# KiCad board ben-eater-computer.kicad_pcb (continued)
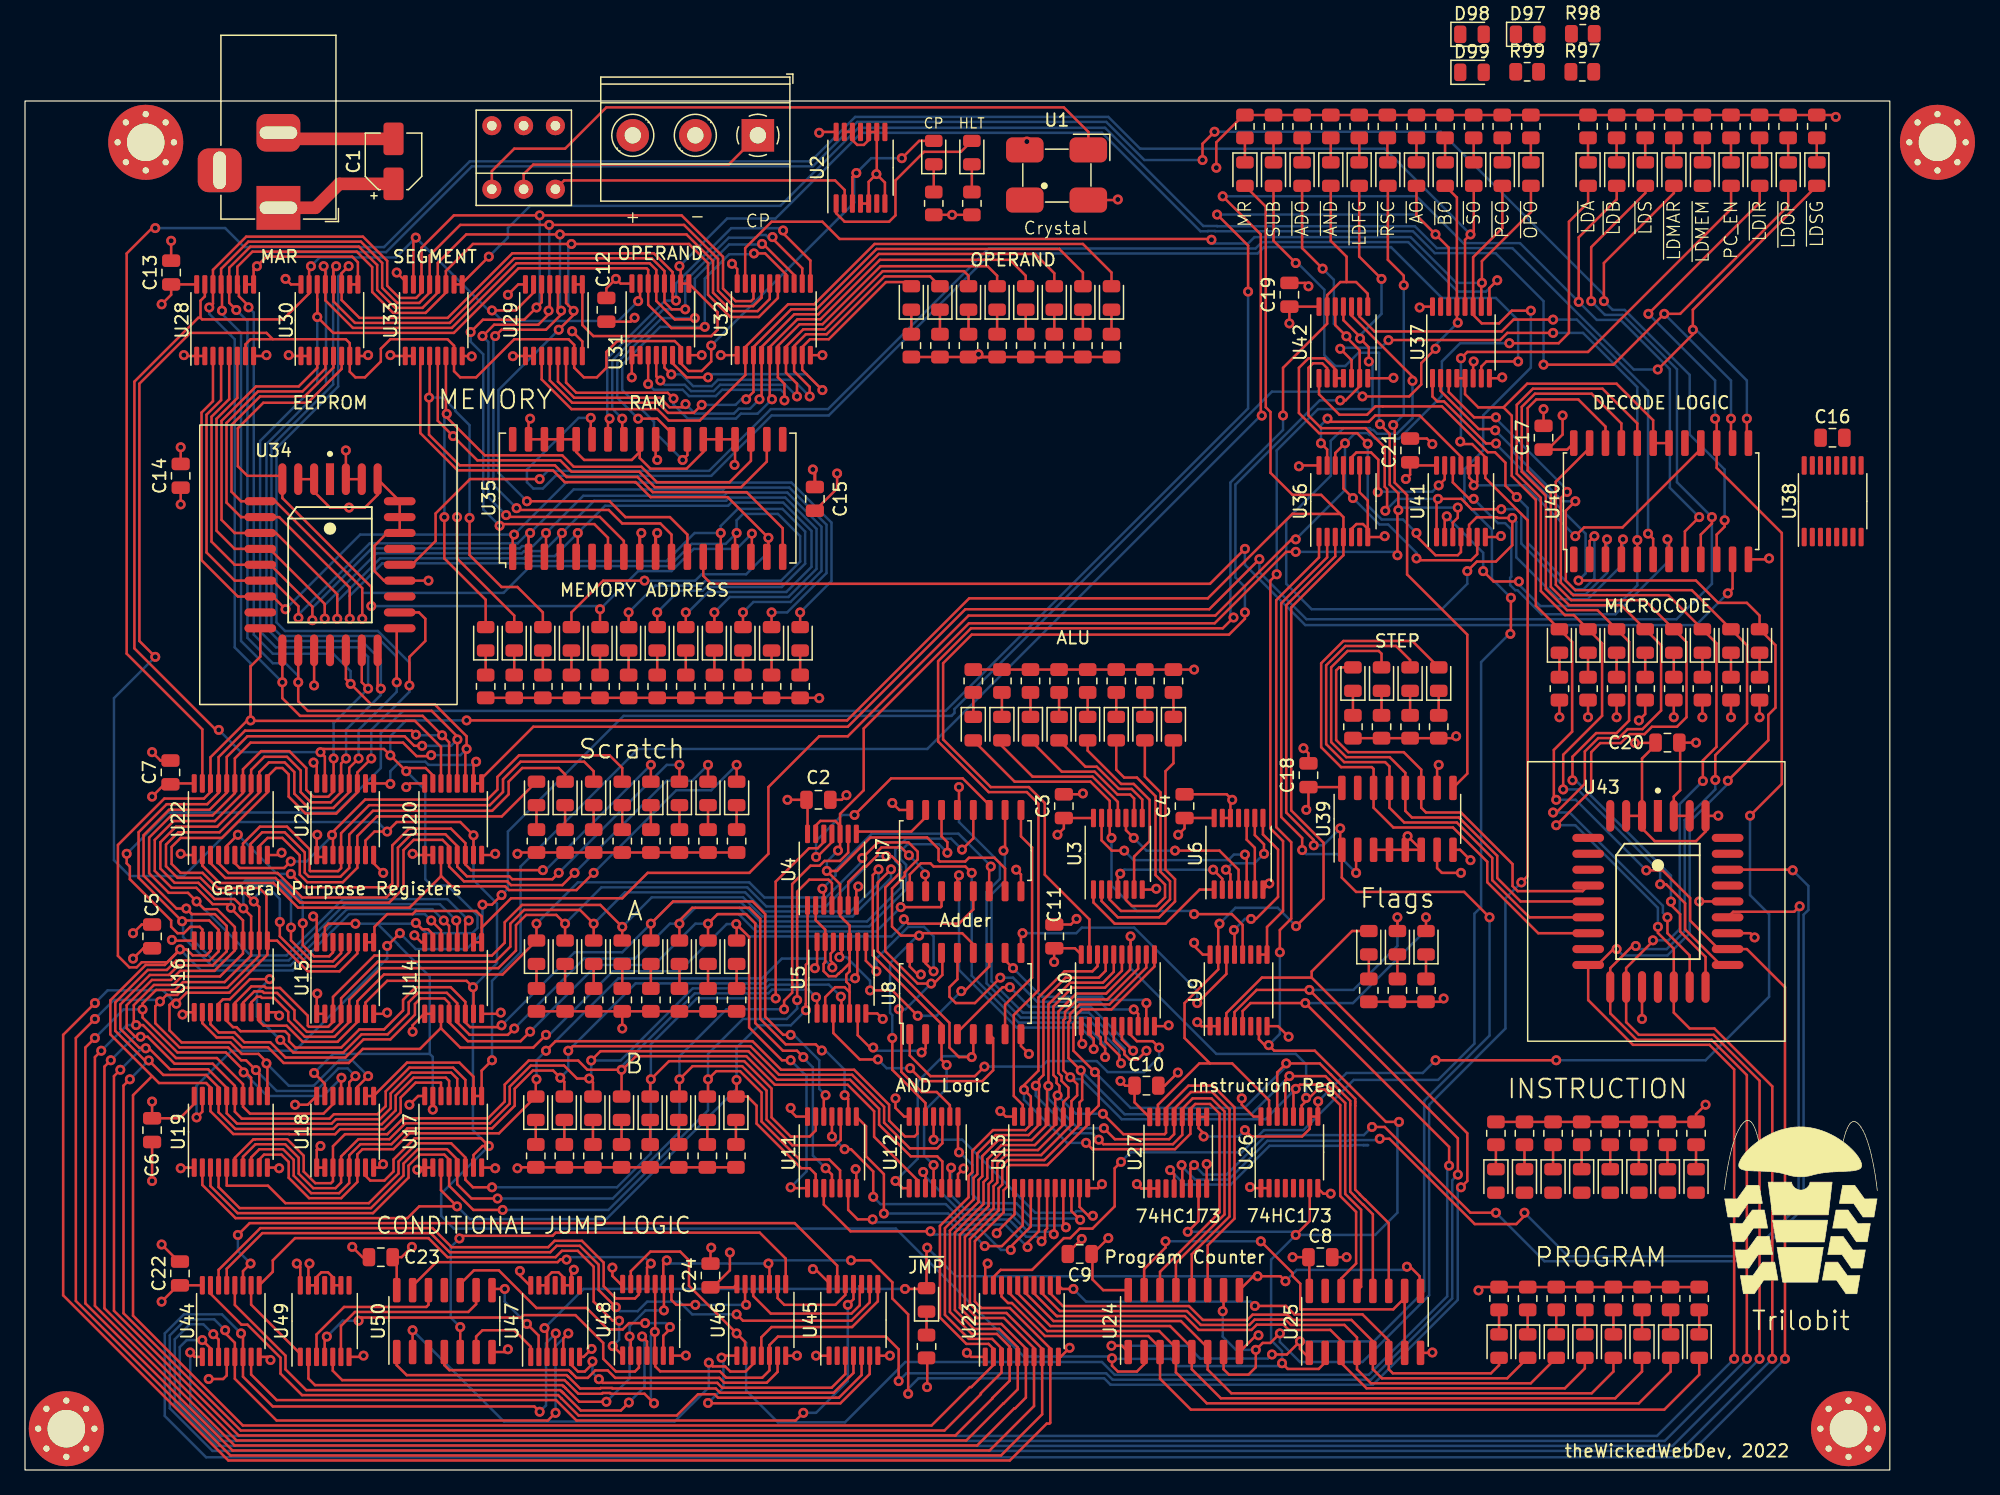
[diagram p0: board, top side]
## Footprints (pads in the part's own frame, mm; a bottom-side part is the same pattern mirrored in y, then rotated)
BarrelJack_Horizontal
  rect 3.5x3.5 hole 1x3: 1(0,0)
  rrect 3x3.5 hole 1x3: 2(-6,0)
  rrect 3.5x3.5 hole 3x1: 3(-3,-4.7)
C_0805_2012Metric
  rrect 1x1.45 smd: 1(-0.95,0) 2(0.95,0)
CFPS-72 SMD Clock
  rrect 3x2 smd: 1(-2.59,-12.18) 2(2.49,-12.18) 3(2.49,-8.17) 4(-2.59,-8.17)
CP_Elec_4x3
  rrect 2.6x1.6 smd: 1(-1.8,0) 2(1.8,0)
LED_0805_2012Metric
  rrect 0.975x1.4 smd: 1(-0.938,0) 2(0.938,0)
MountingHole_3mm_Pad_Via
  round 0.8 hole 0.5: 1(-2.25,0) 1(-1.591,1.591) 1(-1.591,-1.591) 1(0,2.25) 1(0,-2.25) 1(1.591,1.591) 1(1.591,-1.591) 1(2.25,0)
  round 6 hole 3: 1(0,0)
PLCC-32-SOCKET-Microchip-32J-10_2001-B-IPC_A
  rect 0.645x2.536 smd: 1(0,6.844)
  rrect 0.645x2.536 smd: 2(-1.27,6.844) 3(-2.54,6.844) 4(-3.81,6.844) 14(-3.81,-6.844) 15(-2.54,-6.844) 16(-1.27,-6.844) 17(0,-6.844) 18(1.27,-6.844) 19(2.54,-6.844) 20(3.81,-6.844) 30(3.81,6.844) 31(2.54,6.844) 32(1.27,6.844)
  rrect 2.536x0.645 smd: 5(-5.574,5.08) 6(-5.574,3.81) 7(-5.574,2.54) 8(-5.574,1.27) 9(-5.574,0) 10(-5.574,-1.27) 11(-5.574,-2.54) 12(-5.574,-3.81) 13(-5.574,-5.08) 21(5.574,-5.08) 22(5.574,-3.81) 23(5.574,-2.54) 24(5.574,-1.27) 25(5.574,0) 26(5.574,1.27) 27(5.574,2.54) 28(5.574,3.81) 29(5.574,5.08)
R_0805_2012Metric
  rrect 1.025x1.4 smd: 1(-0.912,0) 2(0.912,0)
SOIC-14_3.9x8.7mm_P1.27mm
  rrect 1.95x0.6 smd: 1(-2.475,3.81) 2(-2.475,2.54) 3(-2.475,1.27) 4(-2.475,0) 5(-2.475,-1.27) 6(-2.475,-2.54) 7(-2.475,-3.81) 8(2.475,-3.81) 9(2.475,-2.54) 10(2.475,-1.27) 11(2.475,0) 12(2.475,1.27) 13(2.475,2.54) 14(2.475,3.81)
SOIC-16_3.9x9.9mm_P1.27mm
  rrect 1.95x0.6 smd: 1(-2.475,4.445) 2(-2.475,3.175) 3(-2.475,1.905) 4(-2.475,0.635) 5(-2.475,-0.635) 6(-2.475,-1.905) 7(-2.475,-3.175) 8(-2.475,-4.445) 9(2.475,-4.445) 10(2.475,-3.175) 11(2.475,-1.905) 12(2.475,-0.635) 13(2.475,0.635) 14(2.475,1.905) 15(2.475,3.175) 16(2.475,4.445)
SOIC-16_4.55x10.3mm_P1.27mm
  rrect 1.6x0.55 smd: 1(-3.25,4.445) 2(-3.25,3.175) 3(-3.25,1.905) 4(-3.25,0.635) 5(-3.25,-0.635) 6(-3.25,-1.905) 7(-3.25,-3.175) 8(-3.25,-4.445) 9(3.25,-4.445) 10(3.25,-3.175) 11(3.25,-1.905) 12(3.25,-0.635) 13(3.25,0.635) 14(3.25,1.905) 15(3.25,3.175) 16(3.25,4.445)
SOIC-24W_7.5x15.4mm_P1.27mm
  rrect 2.05x0.6 smd: 1(-4.65,6.985) 2(-4.65,5.715) 3(-4.65,4.445) 4(-4.65,3.175) 5(-4.65,1.905) 6(-4.65,0.635) 7(-4.65,-0.635) 8(-4.65,-1.905) 9(-4.65,-3.175) 10(-4.65,-4.445) 11(-4.65,-5.715) 12(-4.65,-6.985) 13(4.65,-6.985) 14(4.65,-5.715) 15(4.65,-4.445) 16(4.65,-3.175) 17(4.65,-1.905) 18(4.65,-0.635) 19(4.65,0.635) 20(4.65,1.905) 21(4.65,3.175) 22(4.65,4.445) 23(4.65,5.715) 24(4.65,6.985)
SOJ-36_10.16x23.49mm_P1.27mm
  rrect 2.11x0.575 smd: 1(-4.7,10.795)
  rrect 2.11x0.605 smd: 2(-4.7,9.525)
  rrect 2.1x0.595 smd: 3(-4.7,8.255)
  rrect 2.11x0.595 smd: 4(-4.7,6.985)
  rrect 2.1x0.615 smd: 5(-4.7,5.715)
  rrect 2.09x0.605 smd: 6(-4.7,4.445) 7(-4.7,3.175) 10(-4.7,-0.635) 14(-4.7,-5.715) 17(-4.7,-9.525)
  rrect 2.09x0.6 smd: 8(-4.7,1.905) 9(-4.7,0.635) 12(-4.7,-3.175) 15(-4.7,-6.985) 16(-4.7,-8.255) 18(-4.7,-10.795)
  rrect 2.09x0.595 smd: 11(-4.7,-1.905) 13(-4.7,-4.445)
  rrect 1.98x0.605 smd: 19(4.7,-10.795)
  rrect 1.98x0.6 smd: 20(4.7,-9.525) 23(4.7,-5.715) 24(4.7,-4.445) 28(4.7,0.635)
  rrect 1.97x0.615 smd: 21(4.7,-8.255) 30(4.7,3.175)
  rrect 1.97x0.605 smd: 22(4.7,-6.985) 25(4.7,-3.175) 29(4.7,1.905) 32(4.7,5.715) 33(4.7,6.985)
  rrect 1.97x0.6 smd: 26(4.7,-1.905) 34(4.7,8.255) 35(4.7,9.525) 36(4.7,10.795)
  rrect 1.97x0.595 smd: 27(4.7,-0.635) 31(4.7,4.445)
TerminalBlock_Phoenix_MKDS-1,5-3_1x03_P5.00mm_Horizontal
  rect 2.6x2.6 hole 1.3: 1(0,0)
  round 2.6 hole 1.3: 2(5,0) 3(10,0)
THT-DPDT
  round 1.524 hole 0.762: (-2.92,-3.02) (-0.38,-3.02) (2.16,-3.02) 1(-2.92,-8.1) 2(2.16,-8.1) 3(-0.38,-8.1)
TSSOP-14_4.4x5mm_P0.65mm
  rrect 1.475x0.4 smd: 1(-2.862,1.95) 2(-2.862,1.3) 3(-2.862,0.65) 4(-2.862,0) 5(-2.862,-0.65) 6(-2.862,-1.3) 7(-2.862,-1.95) 8(2.862,-1.95) 9(2.862,-1.3) 10(2.862,-0.65) 11(2.862,0) 12(2.862,0.65) 13(2.862,1.3) 14(2.862,1.95)
TSSOP-16_4.4x5mm_P0.65mm
  rrect 1.475x0.4 smd: 1(-2.862,2.275) 2(-2.862,1.625) 3(-2.862,0.975) 4(-2.862,0.325) 5(-2.862,-0.325) 6(-2.862,-0.975) 7(-2.862,-1.625) 8(-2.862,-2.275) 9(2.862,-2.275) 10(2.862,-1.625) 11(2.862,-0.975) 12(2.862,-0.325) 13(2.862,0.325) 14(2.862,0.975) 15(2.862,1.625) 16(2.862,2.275)
TSSOP-20_4.4x6.5mm_P0.65mm
  rrect 1.475x0.4 smd: 1(-2.862,2.925) 2(-2.862,2.275) 3(-2.862,1.625) 4(-2.862,0.975) 5(-2.862,0.325) 6(-2.862,-0.325) 7(-2.862,-0.975) 8(-2.862,-1.625) 9(-2.862,-2.275) 10(-2.862,-2.925) 11(2.862,-2.925) 12(2.862,-2.275) 13(2.862,-1.625) 14(2.862,-0.975) 15(2.862,-0.325) 16(2.862,0.325) 17(2.862,0.975) 18(2.862,1.625) 19(2.862,2.275) 20(2.862,2.925)

## Nets
GND: C1.2 C2.2 C3.2 C4.2 C5.2 C6.2 C7.2 C8.2 C9.2 C10.2 C11.2 C12.2 C13.2 C14.2 C15.2 C16.2 C17.2 C18.2 C19.2 C20.2 C21.2 C22.2 C23.2 C24.2 J1.2 J2.2 R1.2 R2.2 R3.2 R4.2 R5.2 R6.2 R7.2 R8.2 R9.2 R10.2 R11.2 R12.2 R13.2 R14.2 R15.2 R16.2 R17.2 R18.2 R19.2 R20.2 R21.2 R22.2 R23.2 R24.2 R25.2 R26.2 R27.2 R28.2 R29.2 R30.2 R31.2 R32.2 R33.2 R34.2 R35.2 R36.2 R37.2 R38.2 R39.2 R40.2 R41.2 R42.2 R43.2 R44.2 R45.2 R46.2 R47.2 R48.2 R49.2 R50.2 R51.2 R52.2 R53.2 R54.2 R55.2 R56.2 R57.2 R58.2 R59.2 R60.2 R61.2 R62.2 R63.2 R64.2 R65.2 R66.2 R67.2 R68.2 R69.2 R70.2 R71.2 R72.2 R73.2 R74.2 R75.2 R76.2 R77.2 R78.2 R79.2 R80.2 R81.2 R82.2 R83.2 R84.2 R85.2 R85#2.2 R86.2 R87.2 R88.2 R89.2 R90.2 R91.2 R92.2 R93.2 R94.2 R95.2 R96.2 R97.2 R98.2 R99.2 R100.2 R101.2 R102.2 R103.2 R104.2 R105.2 R106.2 R107.2 R108.2 U1.4 U2.4 U2.5 U2.7 U2.9 U2.10 U2.12 U2.13 U3.7 U4.7 U5.7 U6.7 U6.12 U6.13 U7.8 U8.8 U9.1 U9.2 U9.8 U10.10 U11.7 U12.7 U13.10 U14.1 U14.2 U14.8 U15.1 U15.2 U15.8 U16.10 U17.1 U17.2 U17.8 U18.1 U18.2 U18.8 U19.10 U20.1 U20.2 U20.8 U21.1 U21.2 U21.8 U22.10 U23.1 U23.10 U24.8 U25.8 U26.1 U26.2 U26.8 U27.1 U27.2 U27.8 U28.1 U28.2 U28.8 U29.1 U29.2 U29.8 U30.1 U30.2 U30.8 U31.1 U31.2 U31.8 U32.10 U33.1 U33.2 U33.8 U34.2 U34.3 U34.16 U34.23 U34.24 U34.27 U34.28 U34.29 U34.30 U35.6 U35.10 U35.22 U35.23 U35.24 U35.28 U35.32 U35.33 U35.34 U35.35 U36.5 U36.7 U36.9 U37.8 U38.4 U38.5 U38.8 U39.3 U39.4 U39.5 U39.6 U39.8 U40.12 U41.7 U42.7 U43.2 U43.3 U43.16 U43.23 U43.25 U43.30 U44.4 U44.8 U45.1 U45.7 U46.7 U47.7 U47.9 U47.10 U47.12 U47.13 U48.7 U49.7 U49.9 U49.10 U49.12 U49.13 U50.7
VCC: C1.1 C2.1 C3.1 C4.1 C5.1 C6.1 C7.1 C8.1 C9.1 C10.1 C11.1 C12.1 C13.1 C14.1 C15.1 C16.1 C17.1 C18.1 C19.1 C20.1 C21.1 C22.1 C23.1 C24.1 J1.3 J2.1 U1.2 U2.14 U3.14 U4.14 U5.14 U6.14 U7.16 U8.16 U9.16 U10.1 U10.20 U11.14 U12.14 U13.1 U13.20 U14.16 U15.16 U16.1 U16.20 U17.16 U18.16 U19.1 U19.20 U20.16 U21.16 U22.1 U22.20 U23.20 U24.16 U25.16 U26.16 U27.16 U28.16 U29.16 U30.16 U31.16 U32.1 U32.20 U33.16 U34.31 U34.32 U35.9 U35.27 U36.14 U37.6 U37.16 U38.16 U39.7 U39.10 U39.16 U40.24 U41.14 U42.14 U43.31 U43.32 U44.16 U45.14 U46.14 U47.14 U48.14 U49.14 U50.14
/ALU/ADD0: U7.4 U10.2
/ALU/ADD1: U7.1 U10.3
/ALU/ADD2: U7.13 U10.4
/ALU/ADD3: U7.10 U10.5
/ALU/ADD4: U8.4 U10.6
/ALU/ADD5: U8.1 U10.7
/ALU/ADD6: U8.13 U10.8
/ALU/ADD7: U8.10 U10.9
/ALU/ALU0: D13.2 U3.2
/ALU/ALU1: D12.2 U3.3
/ALU/ALU2: D11.2 U3.5
/ALU/ALU3: D9.2 U3.6
/ALU/ALU4: D7.2 U3.8
/ALU/ALU5: D5.2 U3.9
/ALU/ALU6: D4.2 U3.11
/ALU/ALU7: D3.2 U3.12 U9.12
/ALU/AND0: U11.3 U13.2
/ALU/AND1: U11.6 U13.3
/ALU/AND2: U11.8 U13.4
/ALU/AND3: U11.11 U13.5
/ALU/AND4: U12.3 U13.6
/ALU/AND5: U12.6 U13.7
/ALU/AND6: U12.8 U13.8
/ALU/AND7: U12.11 U13.9
/ALU/CARRY_OUT: U8.9 U9.14
/ALU/ZERO_FLAG: U6.8 U9.13
/CF: D6.2 U9.3 U46.10 U48.2 U48.9 U49.2
/Control Unit/EEPROM4: D103.2 U38.1 U40.22 U43.19
/Control Unit/EEPROM5: D102.2 U38.2 U40.21 U43.20
/Control Unit/EEPROM6: D101.2 U38.3 U40.20 U43.21
/Control Unit/STEP0: D77.2 U39.14 U43.11
/Control Unit/STEP1: D76.2 U39.13 U43.10
/Control Unit/STEP2: D75.2 U39.12 U43.9
/Control Unit/STEP3: D74.2 U39.11 U43.8
/Control Unit/~{_AND}: U40.4 U41.5 U42.10
/Control Unit/~{_OUT_IN}: U38.14
/Control Unit/~{ADD}: U40.2 U42.1
/Control Unit/~{CMP}: U40.5 U41.2 U42.5
/Control Unit/~{LDA}: U40.7 U41.12
/Control Unit/~{RESET_STEP_COUNTER}: D78.2 U38.9 U39.9
/Control Unit/~{SUB}: U40.3 U41.1 U42.2
/Control Unit/~{TEST}: U40.6 U42.9
/EEPROM0: D107.2 U37.1 U43.13 U44.1
/EEPROM1: D106.2 U37.2 U43.14 U44.2
/EEPROM2: D105.2 U37.3 U43.15 U44.3
/EEPROM3: D104.2 U40.23 U43.18 U44.5 U47.5
/EEPROM7: D100.2 U37.4 U37.5 U38.6 U40.18 U40.19 U43.22 U44.6 U47.4
/GPR's/A0: D21.2 U7.5 U11.1 U14.3 U16.2
/GPR's/A1: D20.2 U7.3 U11.4 U14.4 U16.3
/GPR's/A2: D19.2 U7.14 U11.9 U14.5 U16.4
/GPR's/A3: D18.2 U7.12 U11.12 U14.6 U16.5
/GPR's/A4: D17.2 U8.5 U12.1 U15.3 U16.6
/GPR's/A5: D16.2 U8.3 U12.4 U15.4 U16.7
/GPR's/A6: D15.2 U8.14 U12.9 U15.5 U16.8
/GPR's/A7: D14.2 U8.12 U12.12 U15.6 U16.9
/GPR's/B0: D29.2 U4.1 U11.2 U17.3 U19.2
/GPR's/B1: D28.2 U4.4 U11.5 U17.4 U19.3
/GPR's/B2: D27.2 U4.9 U11.10 U17.5 U19.4
/GPR's/B3: D26.2 U4.12 U11.13 U17.6 U19.5
/GPR's/B4: D25.2 U5.1 U12.2 U18.3 U19.6
/GPR's/B5: D24.2 U5.4 U12.5 U18.4 U19.7
/GPR's/B6: D23.2 U5.9 U12.10 U18.5 U19.8
/GPR's/B7: D22.2 U5.12 U12.13 U18.6 U19.9
/GPR's/S0: D37.2 U20.3 U22.2
/GPR's/S1: D36.2 U20.4 U22.3
/GPR's/S2: D35.2 U20.5 U22.4
/GPR's/S3: D34.2 U20.6 U22.5
/GPR's/S4: D33.2 U21.3 U22.6
/GPR's/S5: D32.2 U21.4 U22.7
/GPR's/S6: D31.2 U21.5 U22.8
/GPR's/S7: D30.2 U21.6 U22.9
/INSTRUCTION0: U26.3 U43.7
/INSTRUCTION1: U26.4 U43.6
/INSTRUCTION2: U26.5 U43.5
/INSTRUCTION3: U26.6 U43.4
/INSTRUCTION4: U27.3 U43.28
/INSTRUCTION5: U27.4 U43.29
/INSTRUCTION6: U27.5 U43.24
/INSTRUCTION7: U27.6 U43.27
/Instruction Register/INST0: D53.2
/Instruction Register/INST1: D52.2
/Instruction Register/INST2: D51.2
/Instruction Register/INST3: D50.2
/Instruction Register/INST4: D49.2
/Instruction Register/INST5: D48.2
/Instruction Register/INST6: D47.2
/Instruction Register/INST7: D46.2
/Jumps/~{JA_JNBE_}: U49.6 U50.9
/Jumps/~{JA_JNBE}: U44.9 U48.1
/Jumps/~{JB_JNAE_JC_}: U46.8 U50.5
/Jumps/~{JB_JNAE_JC}: U44.11 U45.13
/Jumps/~{JBE_JNA_}: U46.11
/Jumps/~{JBE_JNA}: U44.7 U45.11
/Jumps/~{JE_JZ_}: U46.6 U50.4
/Jumps/~{JE_JZ}: U44.13 U45.9
/Jumps/~{JNB_JAE_JNC_}: U49.3 U50.12
/Jumps/~{JNB_JAE_JNC}: U44.10 U49.1
/Jumps/~{JNE_JNZ_}: U48.6 U50.10
/Jumps/~{JNE_JNZ}: U44.12 U48.4
/Jumps/~{JNS_}: U48.11 U50.13
/Jumps/~{JNS}: U44.14 U48.12
/Jumps/~{JS_}: U46.3 U50.2
/Jumps/~{JS}: U44.15 U45.5
/Jumps/~{J}: U45.4 U50.1
/Memory/MAR0: D65.2 U28.3 U34.11 U35.1
/Memory/MAR1: D64.2 U28.4 U34.10 U35.2
/Memory/MAR2: D63.2 U28.5 U34.9 U35.3
/Memory/MAR3: D62.2 U28.6 U34.8 U35.4
/Memory/MAR4: D61.2 U30.3 U34.7 U35.5
/Memory/MAR5: D60.2 U30.4 U34.6 U35.14
/Memory/MAR6: D59.2 U30.5 U34.5 U35.15
/Memory/MAR7: D58.2 U30.6 U34.4 U35.16
/Memory/OPND0: D73.2 U29.3 U32.2
/Memory/OPND1: D72.2 U29.4 U32.3
/Memory/OPND2: D71.2 U29.5 U32.4
/Memory/OPND3: D70.2 U29.6 U32.5
/Memory/OPND4: D69.2 U31.3 U32.6
/Memory/OPND5: D68.2 U31.4 U32.7
/Memory/OPND6: D67.2 U31.5 U32.8
/Memory/OPND7: D66.2 U31.6 U32.9
/Memory/SEG0: D57.2 U33.3 U35.17
/Memory/SEG1: D56.2 U33.4 U35.18
/Memory/SEG2: D55.2 U33.5 U35.20
/Memory/SEG3: D54.2 U33.6 U35.21
/PC/PC0: D45.2 U23.18 U24.3
/PC/PC1: D44.2 U23.17 U24.4
/PC/PC2: D43.2 U23.16 U24.5
/PC/PC3: D42.2 U23.15 U24.6
/PC/PC4: D41.2 U23.14 U25.3
/PC/PC5: D40.2 U23.13 U25.4
/PC/PC6: D39.2 U23.12 U25.5
/PC/PC7: D38.2 U23.11 U25.6
/PC_EN: D79.2 U24.7 U24.10 U41.8
/SF: D10.2 U9.5 U46.2 U48.13
/SUB: D90.2 U4.2 U4.5 U4.10 U4.13 U5.2 U5.5 U5.10 U5.13 U7.7 U41.3
/ZF: D8.2 U9.4 U46.5 U48.5 U48.10 U49.5
/~{A_IN}: D96.2 U14.9 U14.10 U15.9 U15.10 U36.12
/~{A_OUT}: D95.2 U16.19 U37.14
/~{ADDER_OUT}: D89.2 U10.19 U42.6 U42.12
/~{AND}: D88.2 U13.19 U42.8 U42.13
/~{B_IN}: D94.2 U17.9 U17.10 U18.9 U18.10 U40.8
/~{B_OUT}: D93.2 U19.19 U37.13
/~{FLAGS_IN}: D87.2 U9.9 U9.10 U42.11
/~{HALT}: D2.2 U2.1 U38.10
/~{INST_IN}: D86.2 U26.9 U26.10 U27.9 U27.10 U40.15
/~{MAR_IN}: D81.2 U28.9 U28.10 U30.9 U30.10 U40.10
/~{MEM_IN}: D85.2
/~{MEM_SEG_IN}: D82.2 U33.9 U33.10 U40.13
/~{OP_IN}: D84.2 U29.9 U29.10 U31.9 U31.10 U40.14
/~{OP_OUT}: D83.2 U32.19 U37.10
/~{PC_IN}: D108.2 U24.9 U25.9 U47.3
/~{PC_OUT}: D85#2.2 U23.19 U37.11
/~{READ_CODE}: D97.2 U34.25 U37.9
/~{READ_DATA}: D98.2 U35.31 U37.7
/~{S_IN}: D92.2 U20.9 U20.10 U21.9 U21.10 U40.9
/~{S_OUT}: D91.2 U22.19 U37.12
/~{WRITE_DATA}: D99.2 U35.13 U40.11
BUS0: U10.18 U13.18 U14.14 U16.18 U17.14 U19.18 U20.14 U22.18 U23.2 U24.14 U27.11 U28.14 U29.14 U32.18 U33.14 U34.13 U35.7
BUS1: U10.17 U13.17 U14.13 U16.17 U17.13 U19.17 U20.13 U22.17 U23.3 U24.13 U27.12 U28.13 U29.13 U32.17 U33.13 U34.14 U35.8
BUS2: U10.16 U13.16 U14.12 U16.16 U17.12 U19.16 U20.12 U22.16 U23.4 U24.12 U27.13 U28.12 U29.12 U32.16 U33.12 U34.15 U35.11
BUS3: U10.15 U13.15 U14.11 U16.15 U17.11 U19.15 U20.11 U22.15 U23.5 U24.11 U27.14 U28.11 U29.11 U32.15 U33.11 U34.18 U35.12
BUS4: U10.14 U13.14 U15.14 U16.14 U18.14 U19.14 U21.14 U22.14 U23.6 U25.14 U26.11 U30.14 U31.14 U32.14 U34.19 U35.25
BUS5: U10.13 U13.13 U15.13 U16.13 U18.13 U19.13 U21.13 U22.13 U23.7 U25.13 U26.12 U30.13 U31.13 U32.13 U34.20 U35.26
BUS6: U10.12 U13.12 U15.12 U16.12 U18.12 U19.12 U21.12 U22.12 U23.8 U25.12 U26.13 U30.12 U31.12 U32.12 U34.21 U35.29
BUS7: U10.11 U13.11 U15.11 U16.11 U18.11 U19.11 U21.11 U22.11 U23.9 U25.11 U26.14 U30.11 U31.11 U32.11 U34.22 U35.30
CLOCK: D1.2 U2.3 U9.7 U14.7 U15.7 U17.7 U18.7 U20.7 U21.7 U24.2 U25.2 U26.7 U27.7 U28.7 U29.7 U30.7 U31.7 U33.7 U36.1
RESET: D80.2 U9.15 U14.15 U15.15 U17.15 U18.15 U20.15 U21.15 U26.15 U27.15 U28.15 U29.15 U30.15 U31.15 U33.15 U36.4
~{RESET}: U24.1 U25.1 U36.3 U38.7 U39.1
Net-(D1-Pad1): D1.1 R1.1
Net-(D2-Pad1): D2.1 R2.1
Net-(D3-Pad1): D3.1 R3.1
Net-(D4-Pad1): D4.1 R4.1
Net-(D5-Pad1): D5.1 R5.1
Net-(D6-Pad1): D6.1 R6.1
Net-(D7-Pad1): D7.1 R7.1
Net-(D8-Pad1): D8.1 R8.1
Net-(D9-Pad1): D9.1 R9.1
Net-(D10-Pad1): D10.1 R10.1
Net-(D11-Pad1): D11.1 R11.1
Net-(D12-Pad1): D12.1 R12.1
Net-(D13-Pad1): D13.1 R13.1
Net-(D14-Pad1): D14.1 R14.1
Net-(D15-Pad1): D15.1 R15.1
Net-(D16-Pad1): D16.1 R16.1
Net-(D17-Pad1): D17.1 R17.1
Net-(D18-Pad1): D18.1 R18.1
Net-(D19-Pad1): D19.1 R19.1
Net-(D20-Pad1): D20.1 R20.1
Net-(D21-Pad1): D21.1 R21.1
Net-(D22-Pad1): D22.1 R22.1
Net-(D23-Pad1): D23.1 R23.1
Net-(D24-Pad1): D24.1 R24.1
Net-(D25-Pad1): D25.1 R25.1
Net-(D26-Pad1): D26.1 R26.1
Net-(D27-Pad1): D27.1 R27.1
Net-(D28-Pad1): D28.1 R28.1
Net-(D29-Pad1): D29.1 R29.1
Net-(D30-Pad1): D30.1 R30.1
Net-(D31-Pad1): D31.1 R31.1
Net-(D32-Pad1): D32.1 R32.1
Net-(D33-Pad1): D33.1 R33.1
Net-(D34-Pad1): D34.1 R34.1
Net-(D35-Pad1): D35.1 R35.1
Net-(D36-Pad1): D36.1 R36.1
Net-(D37-Pad1): D37.1 R37.1
Net-(D38-Pad1): D38.1 R38.1
Net-(D39-Pad1): D39.1 R39.1
Net-(D40-Pad1): D40.1 R40.1
Net-(D41-Pad1): D41.1 R41.1
Net-(D42-Pad1): D42.1 R42.1
Net-(D43-Pad1): D43.1 R43.1
Net-(D44-Pad1): D44.1 R44.1
Net-(D45-Pad1): D45.1 R45.1
Net-(D46-Pad1): D46.1 R46.1
Net-(D47-Pad1): D47.1 R47.1
Net-(D48-Pad1): D48.1 R48.1
Net-(D49-Pad1): D49.1 R49.1
Net-(D50-Pad1): D50.1 R50.1
Net-(D51-Pad1): D51.1 R51.1
Net-(D52-Pad1): D52.1 R52.1
Net-(D53-Pad1): D53.1 R53.1
Net-(D54-Pad1): D54.1 R54.1
Net-(D55-Pad1): D55.1 R55.1
Net-(D56-Pad1): D56.1 R56.1
Net-(D57-Pad1): D57.1 R57.1
Net-(D58-Pad1): D58.1 R58.1
Net-(D59-Pad1): D59.1 R59.1
Net-(D60-Pad1): D60.1 R60.1
Net-(D61-Pad1): D61.1 R61.1
Net-(D62-Pad1): D62.1 R62.1
Net-(D63-Pad1): D63.1 R63.1
Net-(D64-Pad1): D64.1 R64.1
Net-(D65-Pad1): D65.1 R65.1
Net-(D66-Pad1): D66.1 R66.1
Net-(D67-Pad1): D67.1 R67.1
Net-(D68-Pad1): D68.1 R68.1
Net-(D69-Pad1): D69.1 R69.1
Net-(D70-Pad1): D70.1 R70.1
Net-(D71-Pad1): D71.1 R71.1
Net-(D72-Pad1): D72.1 R72.1
Net-(D73-Pad1): D73.1 R73.1
Net-(D74-Pad1): D74.1 R74.1
Net-(D75-Pad1): D75.1 R75.1
Net-(D76-Pad1): D76.1 R76.1
Net-(D77-Pad1): D77.1 R77.1
Net-(D78-Pad1): D78.1 R78.1
Net-(D79-Pad1): D79.1 R79.1
Net-(D80-Pad1): D80.1 R80.1
Net-(D81-Pad1): D81.1 R81.1
Net-(D82-Pad1): D82.1 R82.1
Net-(D83-Pad1): D83.1 R83.1
Net-(D84-Pad1): D84.1 R84.1
Net-(D85-Pad1): D85.1 D85#2.1 R85.1 R85#2.1
Net-(D86-Pad1): D86.1 R86.1
Net-(D87-Pad1): D87.1 R87.1
Net-(D88-Pad1): D88.1 R88.1
Net-(D89-Pad1): D89.1 R89.1
Net-(D90-Pad1): D90.1 R90.1
Net-(D91-Pad1): D91.1 R91.1
Net-(D92-Pad1): D92.1 R92.1
Net-(D93-Pad1): D93.1 R93.1
Net-(D94-Pad1): D94.1 R94.1
Net-(D95-Pad1): D95.1 R95.1
Net-(D96-Pad1): D96.1 R96.1
Net-(D97-Pad1): D97.1 R97.1
Net-(D98-Pad1): D98.1 R98.1
Net-(D99-Pad1): D99.1 R99.1
Net-(D100-Pad1): D100.1 R100.1
Net-(D101-Pad1): D101.1 R101.1
Net-(D102-Pad1): D102.1 R102.1
Net-(D103-Pad1): D103.1 R103.1
Net-(D104-Pad1): D104.1 R104.1
Net-(D105-Pad1): D105.1 R105.1
Net-(D106-Pad1): D106.1 R106.1
Net-(D107-Pad1): D107.1 R107.1
Net-(D108-Pad1): D108.1 R108.1
Net-(J1-Pad1): J1.1 SW1.3
Net-(SW1-Pad1): SW1.1 U1.3
Net-(SW1-Pad2): SW1.2 U2.2
Net-(U3-Pad1): U3.1 U6.1
Net-(U3-Pad4): U3.4 U6.2
Net-(U3-Pad10): U3.10 U6.4
Net-(U3-Pad13): U3.13 U6.5
Net-(U4-Pad3): U4.3 U7.6
Net-(U4-Pad6): U4.6 U7.2
Net-(U4-Pad8): U4.8 U7.15
Net-(U4-Pad11): U4.11 U7.11
Net-(U5-Pad3): U5.3 U8.6
Net-(U5-Pad6): U5.6 U8.2
Net-(U5-Pad8): U5.8 U8.15
Net-(U5-Pad11): U5.11 U8.11
Net-(U6-Pad3): U6.3 U6.9
Net-(U6-Pad10): U6.6 U6.10
Net-(U7-Pad9): U7.9 U8.7
Net-(U24-Pad15): U24.15 U25.7 U25.10
Net-(U36-Pad2): U36.2 U39.2
Net-(U36-Pad10): U36.10 U41.13
Net-(U36-Pad11): U36.11 U41.6
Net-(U36-Pad13): U36.13 U41.11
Net-(U40-Pad16): U40.16 U41.9 U41.10
Net-(U41-Pad4): U41.4 U42.3 U42.4
Net-(U45-Pad3): U45.3 U47.6
Net-(U45-Pad6): U45.6 U46.1
Net-(U45-Pad8): U45.8 U46.4
Net-(U45-Pad10): U45.10 U46.12
Net-(U45-Pad12): U45.12 U46.9
Net-(U46-Pad13): U46.13 U48.8
Net-(U47-Pad1): U47.1 U50.6
Net-(U47-Pad2): U47.2 U50.8
Net-(U48-Pad3): U48.3 U49.4

Pads without a net: J2 3; REF** 1; REF**#2 1; REF**#3 1; REF**#4 1; U1 1; U2 6 8 11; U6 11; U9 6 11; U25 15; U34 1 12 17 26; U35 19 36; U36 6 8; U37 15; U38 11 12 13 15; U39 15; U40 1 17; U43 1 12 17 26; U45 2; U47 8 11; U49 8 11; U50 3 11

## Via types
v1: diameter 0.8, hole 0.4, Top to Bottom, 725 vias

## Routing (per net, layer and track width the routed paths; a pad name or vN(x,y) marks a point on that pad's centre or on a via; arc(x,y) is an arc through that point)
GND: length 488.6
  Top w0.2: U39.3 U39.6 110.55,50.68 v1(110.54,50.68) ; v1(134.37,29.21) 133.6,28.45 R53.2 R46.2 ; v1(43.75,91.06) 44.56,90.25 U29.8 ; U35.28 49.15,81.41 ; 49.15,81.41 49.15,80.93 50,80.07 52.89,80.07 54.23,81.41 54.23,82.42 U35.22 56.77,80.42 v1(56.73,80.37) ; 49.15,81.41 48.51,80.77 44.7,80.77 44.07,81.41 U35.32 U35.35 40.26,83.95 v1(40.39,84.07) ; R69.2 76.45,89 v1(76.24,89.22) ; 83.38,17.36 v1(84.49,18.48) ; v1(91.44,35.56) 91.37,35.49 U10.10 ; U37.8 118.04,87.31 v1(118.11,87.38) ; U21.8 27.87,48.52 v1(28.64,47.75) ; U11.7 66.47,24 v1(66.41,24.06) ; v1(48.74,92.14) 48.42,91.83 C12.2 ; v1(83.52,9.77) 82.79,9.05 U23.10 ; v1(115.57,48.77) 114.74,49.6 U39.8 ; v1(68.58,36.07) 68.14,36.51 U5.7 ; v1(102.62,94.66) 102.35,94.93 C19.2 ; U31.8 54.1,89.15 v1(54.1,89.15) ; v1(35.71,89.05) 35.68,89.09 U33.8 ; C10.2 91.12,30.73 v1(92.17,31.78) ; U30.2 21.15,89.09 v1(21.08,89.15) ; v1(31.36,24.01) 31.53,24.18 U17.1 U17.2 ; U42.7 109.38,87.31 v1(109.41,87.34) ; v1(38.04,36.58) 37.94,36.48 U14.8 ; C3.2 84.52,54.04 v1(84.58,54.1) ; U41.7 117.92,74.61 v1(118,74.69) ; U29.2 39.02,89.09 v1(39.01,89.07) ; U30.8 27.36,89.09 v1(27.43,89.15) ; R107.2 v1(138.68,60.2) ; R29.2 R22.2 39.44,24.2 v1(39.37,24.13) ; v1(26.16,17.84) 26.99,17.02 C23.2 ; 130.37,57.98 129.29,56.9 U43.2 U43.3 ; v1(102.21,57.72) 102.62,57.32 C18.2 ; 99,46.41 v1(99.48,46.9) ; v1(20.51,49.36) 20.33,49.18 U22.10 ; v1(69.15,9.14) 69.14,9.14 U45.7 ; v1(139.45,72.9) 139.37,72.82 U40.12 ; v1(104.39,22.1) 103.81,22.1 U26.8 ; v1(75.31,9.37) 75.63,9.05 U23.1 ; U20.2 U20.1 31.09,49.18 v1(30.99,49.28) ; v1(65.68,53.97) 65.3,53.59 C2.2 ; v1(68.07,103.63) 68.1,103.66 U2.9 U2.10 67.45,106.35 67.07,105.97 66.54,105.97 66.15,106.35 U2.12 U2.13 ; v1(68.07,103.63) 68.75,102.95 U2.7 ; v1(68.07,103.63) 67.45,103.01 U2.5 U2.4 ; 97.43,108.35 95.25,106.17 v1(95.25,104.14) ; 48.51,89.14 v1(48.51,87.38) ; U32.10 63.75,89.15 v1(63.75,89.15) ; v1(28.96,36.58) 28.86,36.48 U15.8 ; v1(8.64,40.89) 9.46,41.72 C5.2 ; 129.29,51.31 130.3,50.29 133.6,50.29 134.37,51.05 U43.30 135.37,52.31 v1(135.38,52.32) ; C7.2 10.83,56.73 v1(10.16,57.4) ; U13.10 85.78,22.54 v1(86.11,22.86) ; U36.9 106.71,78.18 107.36,77.53 U36.7 108.64,74.61 v1(108.71,74.68) ; U50.7 38.32,9.43 v1(38.61,9.65) ; U48.7 52.83,9.14 v1(52.84,9.15) ; v1(32.26,71.12) U34.24 28.7,71.12 27.94,71.88 27.94,73.91 28.96,74.93 ; U27.8 94.48,24.46 v1(94.48,24.47) ; U3.7 90.38,46.41 v1(90.45,46.48) ; U17.8 37.54,24.18 v1(37.59,24.13) ; v1(28.63,24.45) 28.36,24.18 U18.8 ; 107.36,75.26 106.98,75.64 106.44,75.64 106.06,75.26 U36.5 ; U47.7 44.67,9.05 v1(45.3,9.68) ; C21.2 112.08,82.48 v1(112.52,82.04) ; 130.35,58.15 v1(128.71,58.15) ; C4.2 96.08,54.04 v1(96.52,53.59) 96.38,53.45 U6.12 U6.13 ; R104.2 v1(131.83,60.2) ; v1(93.73,35.81) 94.05,35.49 95.4,35.49 ; v1(129.03,59.94) 129.54,60.45 R103.2 ; U26.2 98.03,22.54 v1(97.94,22.62) ; v1(14.68,7.28) 15.84,7.28 16.13,7.56 U44.4 ; U43.23 137.95,42.93 v1(138.29,42.59) ; R100.2 v1(122.68,60.2) ; U15.2 U15.1 23.32,38.05 v1(23.37,38.1) ; v1(37.59,49.28) 37.49,49.18 U20.8 ; U9.8 100.19,35.49 v1(101.03,34.65) ; U25.8 112.49,9.37 v1(112.52,9.4) ; R2.2 R1.2 ; U4.7 66.47,46.51 v1(66.62,46.66) ; R66.2 R73.2 ; R6.2 R10.2 113.16,37.44 v1(113.42,37.71) ; v1(93.47,64.01) R13.2 R3.2 ; v1(29.21,89.15) 29.28,89.09 U33.2 ; U27.2 89.25,22.51 v1(88.9,22.86) ; v1(23.37,50.8) 23.32,50.75 U21.1 23.48,49.02 23.88,49.02 ; R105.2 v1(134.11,60.2) ; R80.2 144.63,108.35 v1(144.78,108.2) ; v1(10.92,18.03) 12.29,16.67 ; v1(39.37,49.28) 39.47,49.38 R30.2 R37.2 ; U34.3 U34.2 ; U7.8 79.63,47.63 v1(79.25,48.01) ; v1(63.5,61.72) 63.47,61.75 R65.2 R54.2 ; U12.7 74.59,23.66 v1(75.04,24.11) ; v1(114.42,58.67) 114.27,58.52 R77.2 R74.2 ; 31.91,36.48 30.99,35.56 v1(30.99,35.05) ; R101.2 v1(124.97,60.2) ; U14.2 U14.1 ; C6.2 v1(10.16,23.11) ; C24.2 54.81,17.72 v1(54.86,17.78) ; U19.10 20.27,24.18 v1(20.32,24.13) ; v1(22.74,16.51) 22.66,16.42 U49.13 U49.12 23.31,15.42 23.69,15.81 24.22,15.81 24.61,15.42 U49.10 U49.9 ; U31.2 U31.1 ; v1(43.88,16.01) 43.69,15.82 U47.9 U47.10 43.04,15.42 42.65,15.81 42.12,15.81 41.74,15.42 U47.12 U47.13 ; v1(19.3,89.15) 19.24,89.09 U28.8 ; U8.8 79.63,33.91 v1(80.26,33.27) ; v1(116.21,14.36) 116.47,14.63 R38.2 R45.2 ; R14.2 R21.2 ; v1(98.62,10.77) 98.44,10.77 U24.8 ; 72.14,8.91 72.14,6.64 v1(72.12,6.63) ; R102.2 v1(127.25,60.2) ; U34.16 v1(23.11,62.74) ; 64.29,9.14 63.25,9.14 v1(63.25,9.14) ; C14.2 v1(12.45,81.79) ; v1(23.62,25.91) 23.32,25.61 U18.1 U18.2 ; U28.2 12.77,89.09 v1(12.7,89.15) ; U43.25 v1(133.86,45.47) ; 23.11,78.23 24.38,76.96 27.18,76.96 28.19,77.98 U34.30 U34.29 U34.27 ; C17.2 v1(121.41,84.84) ; U44.8 19.37,9.05 v1(19.62,8.79) ; U49.7 26.96,9.05 v1(27.06,9.14) ; v1(61.72,9.14) 61.72,9.14 U46.7 ; C11.2 83.62,43.62 v1(84.07,44.07) ; v1(129.29,36.07) U43.16 ; C8.2 v1(105.66,17.02) ; v1(20.32,36.34) 20.05,36.6 U16.10 ; R17.2 v1(47.75,35.31) ; R106.2 v1(136.4,60.2) ; C13.2 v1(11.68,98.3)
  Top w0.25: v1(62.99,80.01) 63.15,79.85 C15.2 ; v1(50.55,74.93) 50.42,74.8 U35.10
  Top w1: C1.2 20.75,106.45
  vias: v1(25.91,76.96) v1(74.12,100.37) v1(80.1,106.23)
VCC: length 175.2
  Top w0.2: U46.14 56.66,14.61 C24.1 ; U28.16 11.69,94.81 ; v1(12.59,36.42) 12.77,36.6 U16.1 ; C8.1 v1(101.35,17.02) ; v1(55.63,89.15) 55.63,89.15 U32.1 ; U31.16 47.62,94.88 v1(47.24,95.25) 46.48,94.49 C12.1 ; 85.34,17.21 85.34,15.24 86.2,14.38 U24.16 ; v1(23.04,44.27) 23.32,43.99 U15.16 ; v1(77.98,28.7) 78.42,28.26 U13.20 ; U34.31 U34.32 v1(25.65,81.53) ; v1(31.13,42.76) 31.68,42.2 U14.16 ; U7.16 69.9,52.78 v1(69.34,53.34) ; v1(56.36,17.39) 56.36,15.97 54.99,14.61 ; v1(21.59,29.21) 22.61,29.21 23.3,29.91 ; 11.15,54.83 v1(10.16,53.85) ; U26.16 98.23,28.26 97.28,29.21 v1(97.28,29.72) ; v1(87.38,101.6) 87.33,101.56 U1.2 ; C22.1 14.18,14.77 ; U36.14 101.92,80.33 v1(101.85,80.26) ; U39.10 112.9,56.26 v1(113.03,56.39) ; 85.42,52.14 C3.1 83.06,51.31 v1(82.55,50.8) ; v1(93.47,42.16) 93.47,41.91 94.17,41.22 U9.16 ; v1(63.5,106.93) 63.57,107 U2.14 ; U8.16 70.74,40.26 71.37,39.62 v1(71.63,39.62) ; U22.20 11.7,54.9 ; U10.1 84.45,34.16 v1(84.54,34.08) ; v1(76.96,16.51) 76.77,16.32 U23.20 ; v1(87.58,31.11) 87.96,30.73 C10.1 88.71,29.4 89.88,28.23 ; v1(30.73,29.21) 31.43,29.91 U17.16 ; v1(102.44,52.79) 102.62,52.96 C18.1 105.22,54.61 ; U37.16 111.57,93.03 v1(111.51,92.96) ; U29.16 39.44,94.81 v1(38.61,93.98) ; U16.20 11.8,42.33 v1(11.74,42.39) ; U42.14 101.09,93.03 ; 40.35,14.77 39.57,15.55 v1(39.57,15.92) ; v1(50.55,80.77) 50.42,80.9 U35.27 ; 121.73,81.6 122.94,82.8 v1(122.94,84.33) ; U22.1 12.54,49.18 v1(12.45,49.28) ; C20.1 v1(133.6,58.17) ; C5.1 9.33,43.62 v1(8.64,42.93) ; C21.1 110.74,79.59 v1(110.4,79.25) ; 82.28,41.71 v1(82.28,40.63) ; v1(10.92,93.22) 11.68,93.98 C13.1 ; U20.16 30.77,54.9 v1(30.48,54.61) ; 64.29,14.96 63.18,16.06 v1(62.99,16.06) ; v1(10.16,29.46) C6.1 12.38,28.13 13.53,29.28 ; U10.20 83.95,41.72 C11.1 ; U39.7 112.9,48.13 113.28,47.75 v1(114.81,47.75) ; v1(23.07,56.57) 23.32,56.32 U21.16 ; U43.31 U43.32 131.83,53.85 132.33,54.36 132.33,58.1 ; U19.1 12.5,24.18 v1(12.45,24.13) ; v1(115.82,88.65) 115.78,88.61 U37.6 ; v1(61.21,28.96) 61.21,28.7 61.65,28.26 U11.14 ; U12.14 70.29,28.26 69.6,28.96 v1(69.6,29.72) ; v1(46.96,16.18) 46.96,15.52 47.61,14.87 U48.14 ; C17.1 123.31,81.6 U40.24 ; C19.1 v1(101.09,91.69) ; 12.23,14.77 v1(10.92,13.46) ; C15.1 64.93,78.49 v1(64.93,79.69) ; U32.20 56.94,96.04 v1(56.52,96.46) ; U49.14 22.01,16.23 v1(21.73,16.51) ; C23.1 30.11,17.02 v1(30.93,17.84) ; U4.14 62.57,53.51 ; v1(77.69,18.93) 77.69,19.01 79.12,20.44 U13.1 ; C4.1 92.71,51.31 v1(92.2,50.8) ; U25.16 102.69,16.95 ; U5.14 63.33,40.31 v1(63.15,40.13) ; 85.34,17.27 v1(86.61,18.54) ; 30.4,95.07 v1(29.72,95.76) ; U50.14 29.72,16.7 ; U30.16 21.27,94.81 v1(20.83,95.25) ; U41.14 111,80.33 ; C14.1 v1(12.45,77.22) ; U6.14 92.71,52.14 ; C2.1 v1(60.96,53.59)
  Top w0.25: v1(49.28,74.93) 49.15,74.8 U35.9
  Top w1: C1.1 25.12,102.85 23.21,100.93 J2.1
/ALU/ADD0: length 24.7
  Top w0.2: U10.2 85.1,34.84 85.44,34.5 v1(85.44,33.66) ; U7.4 74.55,47.43 v1(74.68,47.56)
  Bottom w0.2: v1(85.44,33.66) 85.44,34.33 84.4,35.38 79.29,35.38 74.68,39.99 v1(74.68,47.56)
/ALU/ADD1: length 31.9
  Top w0.2: v1(75.69,47.75) 75.18,48.26 72.64,48.26 72.39,48.51 71.63,48.51 70.74,47.63 U7.1 ; v1(86.36,33.02) 86.36,33.73 86,34.08 86,34.59 85.75,34.84 U10.3
  Bottom w0.2: v1(75.69,47.75) 75.69,39.54 79.45,35.78 84.57,35.78 86.36,33.98 v1(86.36,33.02)
/ALU/ADD2: length 36.6
  Top w0.2: 86.4,35.49 86.4,34.25 87.5,33.15 87.5,32.65 v1(87.63,32.52) ; v1(74.68,54.61) 74.68,52.91
  Bottom w0.2: v1(74.68,54.61) 74.68,51.82 77.94,48.55 77.94,47.26 76.88,46.2 76.88,38.91 79.62,36.18 84.89,36.18 87.47,33.6 87.47,32.68 v1(87.63,32.52)
/ALU/ADD3: length 34.6
  Top w0.2: v1(89.66,33.53) 88.96,32.83 88.31,32.83 87.9,33.24 87.9,33.49 87.05,34.34 U10.5 ; v1(78.23,49.53) 78.36,49.66 U7.10
  Bottom w0.2: v1(78.23,49.53) 78.34,49.42 78.34,47.1 77.28,46.04 77.28,39.08 79.78,36.58 85.06,36.58 87.9,33.73 87.9,33.24 88.31,32.83 88.96,32.83 v1(89.66,33.53)
/ALU/ADD4: length 20.1
  Top w0.2: 87.7,35.49 87.7,34.43 v1(88.6,33.53) ; 74.55,35 78.16,38.61 v1(78.74,38.61)
  Bottom w0.2: v1(88.6,33.53) 88.6,33.66 85.22,37.05 80.3,37.05 v1(78.74,38.61)
/ALU/ADD5: length 27.9
  Top w0.2: v1(90.68,33.78) 90.17,34.29 88.9,34.29 88.35,34.84 U10.7 ; U8.1 70.74,33.15 72.39,31.5 75.95,31.5 v1(76.71,32.26)
  Bottom w0.2: v1(90.68,33.78) 90.68,33.02 89.48,31.82 86.57,31.82 85.69,32.7 81.72,32.7 81.28,32.26 v1(76.71,32.26)
/ALU/ADD6: length 22.1
  Top w0.2: v1(88.65,36.83) 89,36.48 U10.8 ; v1(77.98,39.37) 75.95,37.34 74.42,37.34 73.91,37.85 73.91,38.61 74.55,39.24 U8.13
  Bottom w0.2: v1(88.65,36.83) 86.56,36.83 85.94,37.45 80.92,37.45 78.99,39.37 v1(77.98,39.37)
/ALU/ADD7: length 14.6
  Top w0.2: U10.9 89.65,37.33 v1(89.66,37.34) ; v1(78.99,40.13) 78.36,40.77
  Bottom w0.2: v1(89.66,37.34) 89.41,37.59 86.36,37.59 86.11,37.85 81.28,37.85 v1(78.99,40.13)
/ALU/ALU0: length 21.3
  Top w0.2: U3.2 86.08,45.5 87.38,44.2 90.68,44.2 91.95,45.47 91.95,47.24 91.19,48.01 91.19,55.88 91.82,56.52 D13.2
/ALU/ALU1: length 19.9
  Top w0.2: D12.2 89.53,55.44 90.79,54.19 90.79,47.84 91.55,47.08 91.55,45.63 90.62,44.7 87.63,44.7 86.73,45.61 U3.3
/ALU/ALU2: length 19.2
  Top w0.2: D11.2 87.25,56.01 87.88,55.37 88.9,55.37 90.39,53.89 90.39,47.57 91.15,46.81 91.15,45.8 90.46,45.1 88.5,45.1 88.03,45.58 U3.5
/ALU/ALU3: length 15.1
  Top w0.2: D9.2 84.96,57.53 87.63,54.86 88.65,54.86 89.92,53.59 89.92,50.29 88.68,49.05 U3.6
/ALU/ALU4: length 10.1
  Top w0.2: D7.2 84.78,56.24 85.69,56.24 87.46,54.46 88.48,54.46 89.33,53.62 U3.8
/ALU/ALU5: length 11.8
  Top w0.2: U3.9 88.68,53.7 88.37,54.02 87.35,54.02 85.52,55.84 82.9,55.84 D5.2
/ALU/ALU6: length 12.9
  Top w0.2: U3.11 87.38,53.42 85.36,55.44 80.56,55.44 78.11,57.9 D4.2
/ALU/ALU7: length 33.9
  Top w0.2: v1(93.47,44.45) 96.49,44.45 97.35,43.59 97.35,41.22 ; v1(86.87,50.55) 86.73,50.69 U3.12 86.73,53.51 85.19,55.04 79.12,55.04 D3.2
  Bottom w0.2: v1(93.47,44.45) 93.22,44.7 88.9,44.7 86.87,46.74 v1(86.87,50.55)
/ALU/AND0: length 22.2
  Top w0.2: U13.2 79.77,19.57 78.1,17.9 v1(76.73,17.9) ; U11.3 63.87,21.22 66,19.09 v1(72.39,19.09)
  Bottom w0.2: v1(72.39,19.09) 72.65,18.83 75.81,18.83 v1(76.73,17.9)
/ALU/AND1: length 21.7
  Top w0.2: v1(67.77,20.04) 66.57,20.04 65.82,20.8 U11.6 ; U13.3 80.42,19.47 78.82,17.87 v1(78.82,17.6)
  Bottom w0.2: v1(78.82,17.6) 78.03,17.6 76.4,19.23 74.52,19.23 73.94,19.81 68,19.81 v1(67.77,20.04)
/ALU/AND2: length 26.4
  Top w0.2: v1(80.15,17.83) 80.15,18.19 81.07,19.1 U13.4 ; U11.8 67.24,27.49 67.24,25.09 68.67,23.66 v1(68.67,20.51)
  Bottom w0.2: v1(68.67,20.51) 73.81,20.51 74.69,19.63 78.35,19.63 v1(80.15,17.83)
/ALU/AND3: length 27.4
  Top w0.2: v1(67.82,21.84) 67.82,23.88 66.04,25.65 v1(65.53,25.65) ; v1(81.28,18.29) 81.55,18.56 81.55,19.14 81.72,19.3 U13.5 ; v1(64.52,26.67) U11.11
  Bottom w0.2: v1(67.82,21.84) 68.4,21.26 73.62,21.26 74.85,20.03 78.66,20.03 80.04,18.65 80.92,18.65 v1(81.28,18.29) ; v1(65.53,25.65) v1(64.52,26.67)
/ALU/AND4: length 17.6
  Top w0.2: U12.3 71.99,23.65 v1(71.81,23.83) ; 82.3,22.47 82.3,18.89 v1(82.25,18.85)
  Bottom w0.2: v1(71.81,23.83) 71.81,23.63 75.02,20.43 78.83,20.43 80.21,19.05 82.06,19.05 v1(82.25,18.85)
/ALU/AND5: length 17.3
  Top w0.2: v1(83.23,19.41) 83.02,19.62 U13.7 ; v1(74.04,24.18) 73.94,24.08 U12.6
  Bottom w0.2: v1(83.23,19.41) 83.07,19.56 80.26,19.56 78.99,20.83 75.18,20.83 74.04,21.97 v1(74.04,24.18)
/ALU/AND6: length 19
  Top w0.2: v1(84.36,20) 83.67,20.7 U13.8 ; U12.8 74.59,25.48 v1(74.68,25.4)
  Bottom w0.2: v1(84.36,20) 84.26,20.11 80.48,20.11 79.25,21.34 76.45,21.34 75.74,22.05 75.74,24.4 74.74,25.4 v1(74.68,25.4)
/ALU/AND7: length 20.1
  Top w0.2: v1(85.38,20.33) 85.03,20.33 84.32,21.04 84.32,22.54 ; v1(72.64,26.42) U12.11
  Bottom w0.2: v1(85.38,20.33) 85.34,20.29 85.06,20.29 84.65,20.7 84.07,20.7 83.94,20.57 80.77,20.57 74.93,26.42 v1(72.64,26.42)
/ALU/CARRY_OUT: length 23.7
  Top w0.2: v1(79.76,42.93) 79.63,42.8 U8.9 ; U9.14 96.05,39.67 v1(93.73,37.34)
  Bottom w0.2: v1(79.76,42.93) 84.05,42.93 84.49,43.37 88.68,43.37 93.73,38.33 v1(93.73,37.34)
/ALU/ZERO_FLAG: length 13.4
  Top w0.2: v1(96.65,43.18) 96.7,43.13 U9.13 ; U6.8 98.98,50.83 100.18,49.62 100.18,45.83 98.42,44.07 v1(98.02,44.07)
  Bottom w0.2: v1(98.02,44.07) 97.54,44.07 v1(96.65,43.18)
/CF: length 166.5
  Top w0.2: v1(114.81,22.61) 115.32,23.11 115.32,26.93 102.87,39.37 ; U9.3 96.05,36.53 98.89,39.37 102.87,39.37 ; 102.87,39.37 102.87,39.86 106.11,43.1 D6.2 ; U48.2 48.43,10.58 v1(48.34,10.67) ; v1(66.04,16.76) 67.59,16.76 69.34,15.01 69.34,13.72 70.61,12.45 v1(70.61,6.1) ; U46.10 59.52,16.43 v1(59.44,16.51) ; U49.2 22.66,7.31 23.19,6.79 42.96,6.79 43.06,6.68 43.08,6.68 43.08,6.68 43.08,6.68 43.19,6.56 43.2,6.56 43.2,6.56 43.2,6.56 44.31,5.46 v1(46.48,5.46) ; v1(51.31,16.76) 51.03,16.49 U48.9 ; 51.08,14.82 v1(51.08,12.76)
  Bottom w0.2: v1(114.81,22.61) 114.55,22.35 114.55,13.6 107.77,6.82 86.79,6.82 86.28,7.33 71.44,7.33 70.61,6.5 v1(70.61,6.1) ; v1(51.31,16.76) 51.56,16.51 v1(59.44,16.51) 59.69,16.76 v1(66.04,16.76) ; v1(51.08,12.76) 49.61,12.76 48.34,11.49 v1(48.34,10.67) 48.34,7.31 v1(46.48,5.46)
/Control Unit/EEPROM4: length 72.6
  Top w0.2: v1(122.17,52.58) 122.43,52.58 124.71,54.86 124.71,57.46 125.78,58.53 127.42,58.53 128.14,59.24 129.32,59.24 130.81,60.73 130.81,65.96 D103.2 127.61,69.16 123.46,69.16 121.99,70.62 121.99,78.07 120.14,79.93 120.14,84.92 120.83,85.61 124.19,85.61 126.37,83.44 U40.22 ; U43.19 133.1,41.15 131.32,42.93 v1(131.32,44.2)
  Bottom w0.2: v1(122.17,52.58) 123.5,52.58 130.96,45.12 130.96,44.56 v1(131.32,44.2)
/Control Unit/EEPROM5: length 69.7
  Top w0.2: v1(123.73,55.16) 123.73,57.04 125.62,58.93 127.25,58.93 128.25,59.93 128.25,66.23 D102.2 125.73,68.76 123.29,68.76 121.59,70.46 121.59,77.91 119.67,79.83 119.67,85.01 120.73,86.07 125.26,86.07 127.63,83.69 U40.21 ; U43.20 134.37,41.03 132.33,43.06 132.33,44.45 131.6,45.19 v1(131.6,45.45)
  Bottom w0.2: v1(123.73,55.16) 123.97,55.16 131.6,47.53 v1(131.6,45.45)
